# Altium PCB CONTROL_BOARD_V2.PcbDoc
Units mm, origin at the board's own origin, x right, y up, seen from the top; angles counter-clockwise.
Board outline 100 x 50 mm, 2 copper layers (Top Layer, Bottom Layer), stack 1.671 mm thick; 48 components, 39 nets, 235 pads, 31 vias.
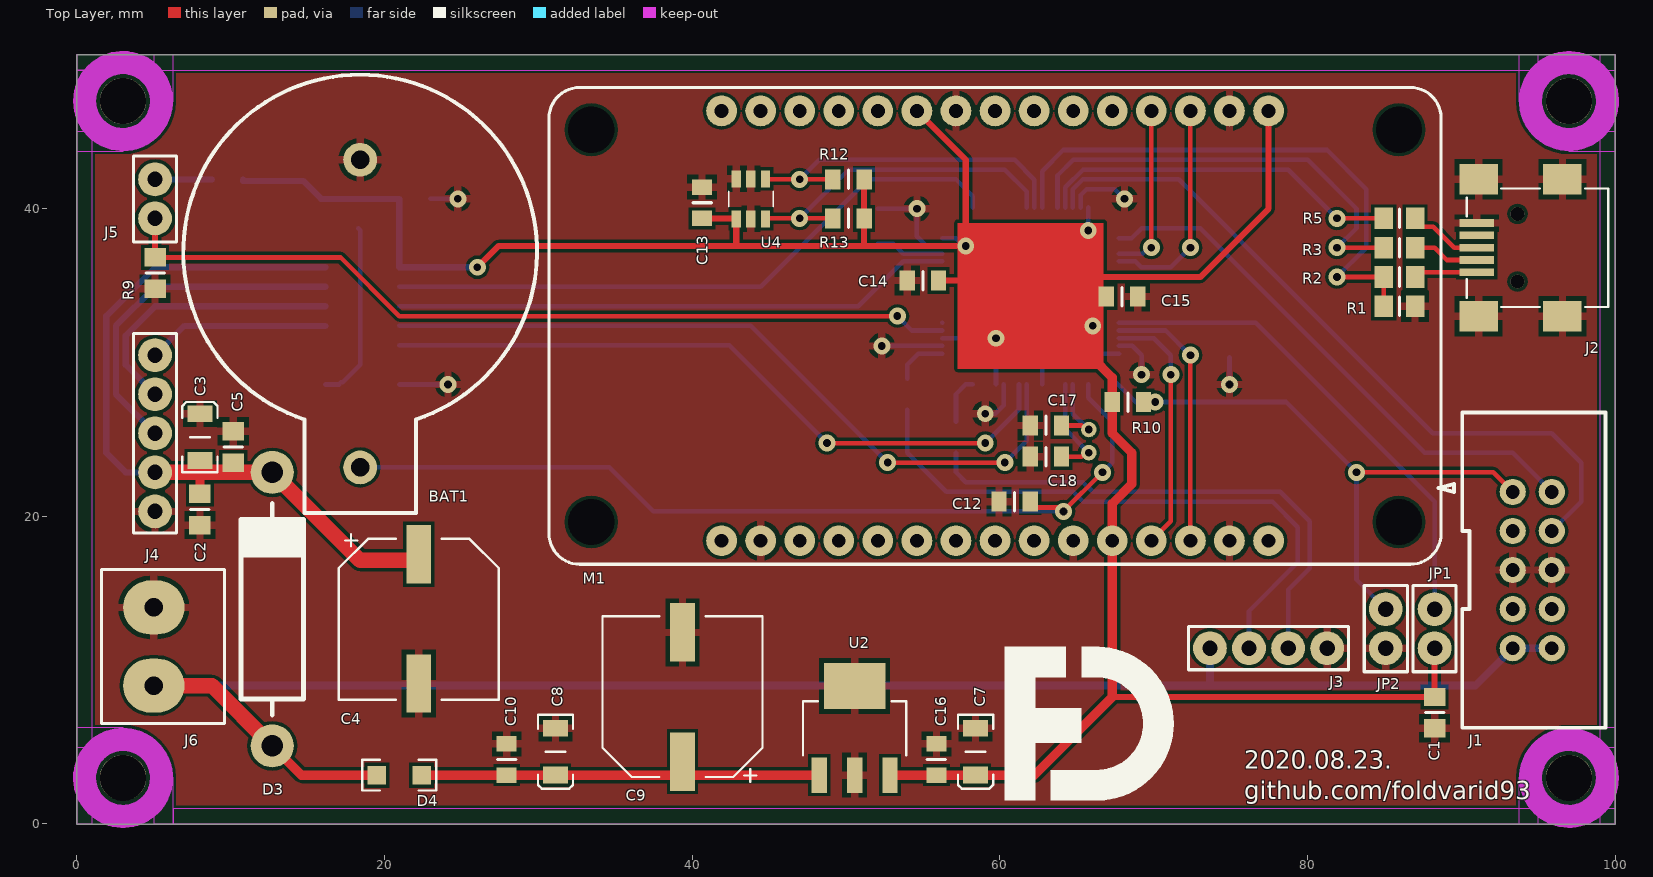
[diagram p0: Top Layer view]
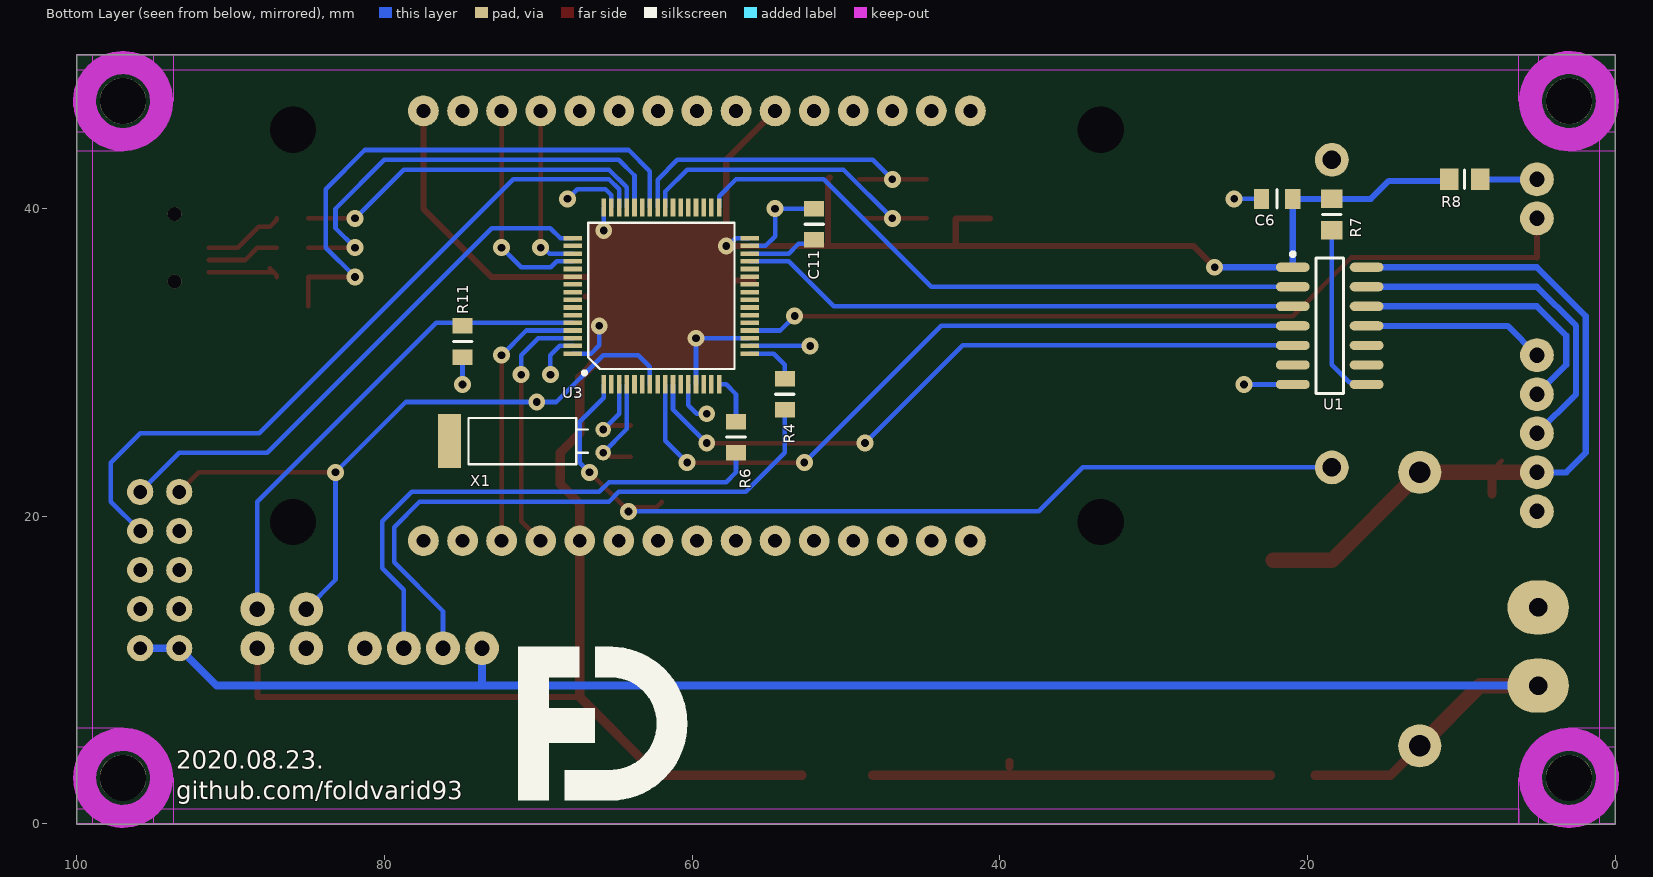
[diagram p1: Bottom Layer view, seen from below]
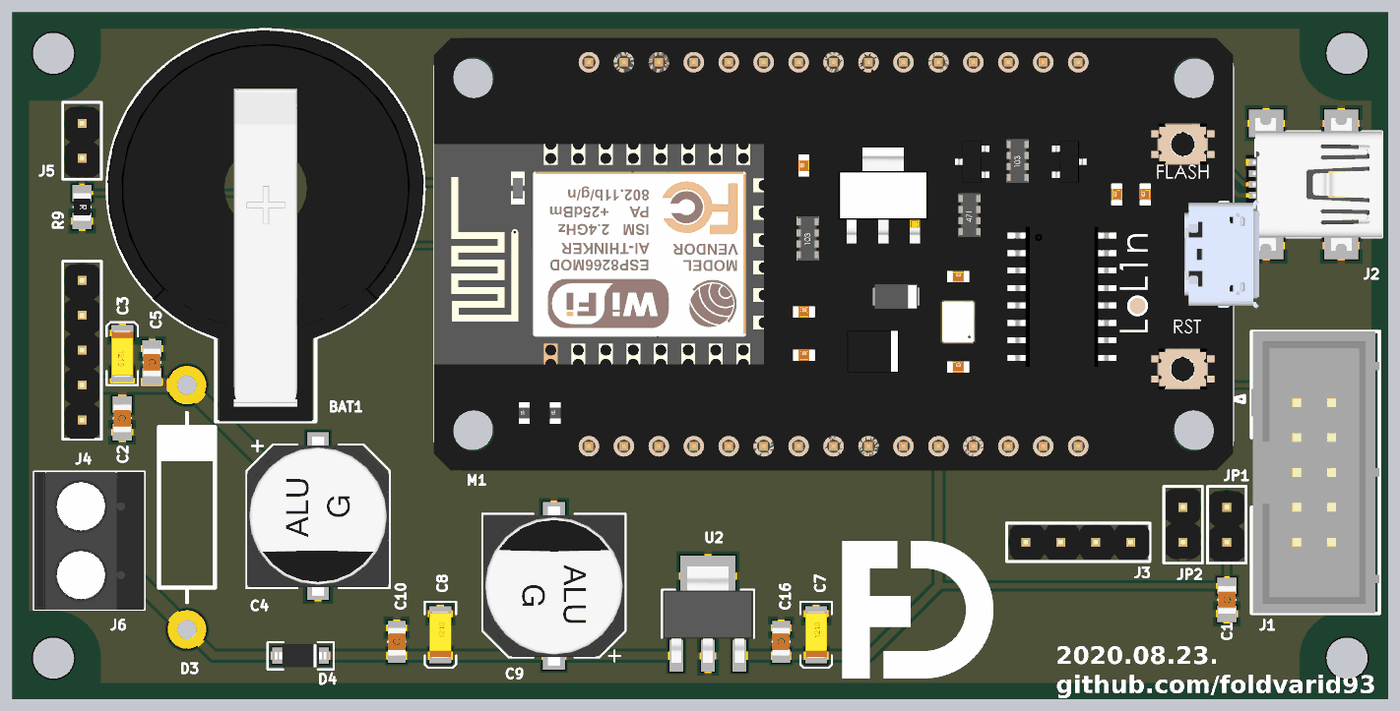
[diagram p2: 3D render of the assembled board from above, using the file's embedded part models]
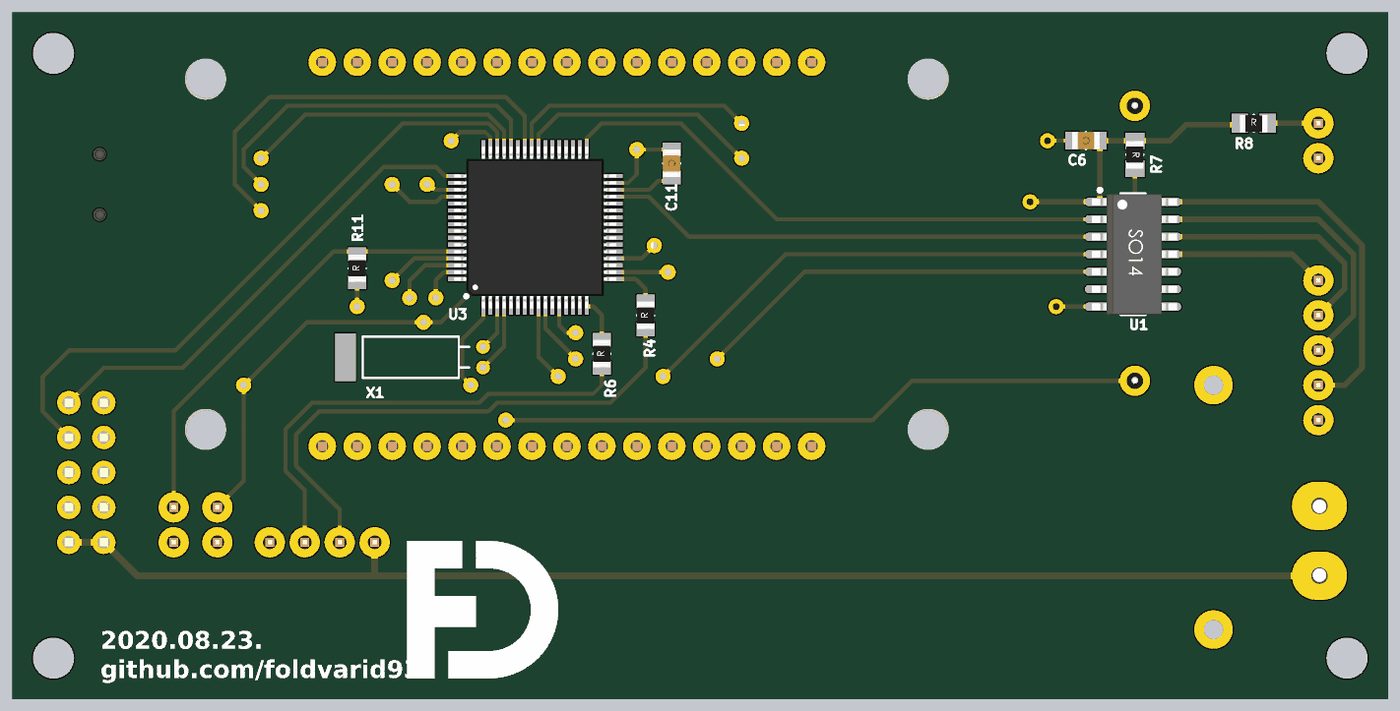
[diagram p3: 3D render of the assembled board from below, using the file's embedded part models]

## Layer stack, top to bottom
Top Solder: solder mask 0.0102, Solder Resist, Dk 3.5
Top Layer: signal copper 0.0356
Dielectric 1: dielectric 1.6, FR-4, Dk 4.8
Bottom Layer: signal copper 0.0356
Bottom Solder: solder mask 0.0102, Solder Resist, Dk 3.5

## Board outline
0,0 0,50 100,50 100,0

## Design rules (kind name [scope] priority, off if disabled: settings)
BoardOutlineClearance [All] p1: gap=0.2 ignorepadtopadclearanceinfootprint=FALSE except(0.4: Arc-SplitBarrior Arc-SplitContinuation Track-SplitBarrior Track-SplitContinuation SMDPad-SplitBarrior SMDPad-SplitContinuation THPad-SplitBarrior THPad-SplitContinuation Via-SplitBarrior Via-SplitContinuation Fill-SplitBarrior Fill-SplitContinuation Poly-SplitBarrior Poly-SplitContinuation Region-SplitBarrior Region-SplitContinuation Text-SplitBarrior Text-SplitContinuation)
Clearance "Clearance Bottom Layer" [OnLayer('Bottom Layer')] p1: gap=0.089 ignorepadtopadclearanceinfootprint=TRUE
Clearance "Clearance Top Layer" [OnLayer('Top Layer')] p2: gap=0.203 ignorepadtopadclearanceinfootprint=TRUE except(0.254: Arc-Text Track-Text SMDPad-Text THPad-Text Via-Text Fill-Text Poly-Text Region-Text Text-Text)
Clearance [All] p3: gap=0.2 ignorepadtopadclearanceinfootprint=FALSE except(0.089: Arc-Arc Arc-Track Arc-SMDPad Track-Track Track-SMDPad SMDPad-SMDPad; 0.127: Arc-Via Track-Via SMDPad-Via THPad-Via Via-Via; 0.254: Arc-Text Track-Text SMDPad-Text THPad-Text Via-Text Fill-Text Poly-Text Region-Text Text-Text)
HoleSize [All] p1: absolutevalues=TRUE maxlimit=6.3 minlimit=0.2 maxpercent=80.000 minpercent=20.000
MinimumAnnularRing [All] p1: minimumring=0.076
MinimumSolderMaskSliver [All] p1: minsoldermaskwidth=0.1
PlaneClearance [All] p1: clearance=0.6
PolygonConnect PolygonConnect_1 [All] p1: connectstyle=Relief reliefconductorwidth=0.508 reliefentries=4 polygonreliefangle="90 Angle" airgapwidth=0.3
RoutingCorners [All] p1: cornerstyle=Round minsetback=2.54 maxsetback=2.54
RoutingVias [All] p1: holewidth=0.5 width=1 viastyle="Through Hole" minholewidth=0.2 minwidth=0.45 maxholewidth=1 maxwidth=2
SilkToSilkClearance [All] p1: silktosilkclearance=0.1
SilkToSolderMaskClearance [IsPad] p1: minsilkscreentomaskgap=0.1 clearancetoexposedcopper=TRUE
SolderMaskExpansion [All] p1: expansion=0.102
Width [All] p1: maxlimit=2.54 minlimit=0.089 preferedwidth=0.381
24 further rules are at their usual default settings.

## Components (designator, comment, footprint, x,y, rotation, side; value= is the part's Value field where it differs from the comment)
BAT1 "*" CR2032 18.415,43.18 r270 top locked
C1 "100n" "CAP 0805"#1 88.265,6.223 r90 top
C2 "100n" "CAP 0805"#1 8.001,21.463 r270 top
C3 "10u" "CAP 1210"#1 8.001,23.622 r90 top
C4 "220uF" "G ELKO" 22.225,13.335 r90 top
C5 "100n" "CAP 0805"#1 10.16,25.527 r270 top
C6 "100n" "CAP 0805"#2 21.971,40.64 r0 bottom
C7 "10u" "CAP 1210"#2 58.42,6.223 r270 top
C8 "10u" "CAP 1210"#2 31.115,6.223 r270 top
C9 "220uF" "G ELKO" 39.37,8.255 r270 top
C10 "100n" "CAP 0805"#2 27.94,4.191 r90 top
C11 "4,7u" "CAP 0805"#2 52.07,38.989 r270 bottom
C12 "1u" "CAP 0805"#2 60.96,20.955 r0 top
C13 "100n" "CAP 0805"#2 40.64,40.386 r270 top
C14 "100n" "CAP 0805"#2 55,35.33 r0 top
C15 "100n" "CAP 0805"#2 67.945,34.29 r180 top
C16 "100n" "CAP 0805"#2 55.88,4.191 r270 top
C17 "6.8p" "CAP 0805"#2 62.992,25.908 r0 top
C18 "6.8p" "CAP 0805"#2 62.992,23.876 r0 top
D3 "MBR360" DO-201AD 12.7,5.08 r90 top
D4 "PNS40010ER" SOD-123 20.955,3.175 r0 top value=PNS40010ER,115
J1 "T821110A1S100CEU" MLW10 93.345,21.59 r270 top
J2 "*" MUSB-B2.0S05PFHSB-T 91,37.465 r90 top
J3 "UART" SIL4 73.66,11.43 r0 top
J4 "*" SIL5 5.08,30.48 r270 top
J5 "*" SIL2 5.08,41.91 r270 top
J6 "5V 2A DC" PTR_AKZ350 5,9 r90 top value=282837-2
JP1 "BOOT0" SIL2 88.265,13.97 r270 top
JP2 "RESET" SIL2 85.09,11.43 r90 top
M1 "NodeMCU" NodeMcu 59.69,32.385 r90 top locked
R1 "2k" "RES 0805"#1 86.995,33.655 r180 top
R2 "1k" "RES 0805"#1 86.995,35.56 r180 top
R3 "22R" "RES 0805"#1 86.995,37.465 r180 top
R4 "1k" "RES 0805"#2 53.975,27.94 r90 bottom
R5 "22R" "RES 0805"#1 86.995,39.37 r180 top
R6 "1k" "RES 0805"#2 57.15,25.146 r90 bottom
R7 "10k" "RES 0805"#1 18.415,40.64 r270 bottom
R8 "0R" "RES 0805"#1 10.795,41.91 r180 bottom
R9 "1k" "RES 0805"#1 5.08,36.83 r270 top
R10 "10k" "RES 0805"#2 68.326,27.432 r180 top
R11 "10k" "RES 0805"#2 74.93,31.369 r90 bottom
R12 "10k" "RES 0805"#2 50.165,41.91 r0 top
R13 "10k" "RES 0805"#2 50.165,39.37 r0 top
U1 "*" SO14 20.955,36.195 r180 bottom
U2 "LM2937" SOT223 50.56,6.075 r0 top value=LM2937IMP-3.3/NOPB
U3 "STM32F446" LQFP64 62,34.33 r90 bottom value=STM32F446RET6
U4 "TMP100" SOT-23-6L 43.815,40.64 r180 top
X1 "32.768 kHz" X32K768L104 65.786,24.892 r0 bottom

## Footprints (in the part's own frame and the unit in brackets; to place one, negate y for a bottom-side part, rotate by r counter-clockwise, add the part's x,y. Pads: shape width x height; smd on the part's side, far side on the other; paste and mask are expansions set on the pad)
"CAP 0805"#1 [mm] "0805 CAPACITOR"
  rect 1.2x1.4 smd: 1(0,0) 2(2.032,0)
  silkscreen extent 1.02,-0.6 1.02,0.6, body extent 0.02,-0.64 2.02,0.62, height 0.6
"CAP 0805"#2 [mm] "0805 CAPACITOR"
  rect 1x1.3 smd: 1(-1.016,0) 2(1.016,0)
  silkscreen extent 0,-0.6 0,0.6, body extent -1,-0.63 1,0.62, height 0.6
"CAP 1210"#1 [mm] "POLARIZED CAPACITOR"
  rect 1.1x1.6 smd: 1(0,0) 2(3.048,0)
  silkscreen extent -0.76,-1.14 3.81,1.14, body extent -0.17,-0.8 3.22,0.8, height 1.65
"CAP 1210"#2 [mm] "POLARIZED CAPACITOR"
  rect 1.1x1.6 smd: 1(3.048,0) 2(0,0)
  silkscreen extent -0.88,-1.14 3.92,1.14, body extent -0.17,-0.8 3.22,0.8, height 1.65
CR2032 [mm] "Litium battery CR2032"
  round 2.2 hole 1.2: 1(0,0) 2(20,0)
  silkscreen extent -5.53,-11.5 22.97,11.5, body extent -5.53,-11.5 22.97,11.5, height 6.91
DO-201AD [mm] "DO-201AD diode package"
  round 2.8 hole 1.4: 1(0,0) 2(17.78,0)
  silkscreen extent 2,-2.03 15.75,2.03
"G ELKO" [mm] "G type SMD ELKO capacitor"
  rect 3.8x1.6 smd: 1(4.2,0) 2(-4.2,0)
  silkscreen extent -5.25,-5.2 5.5,5.2, body extent -5.8,-5.15 5.8,5.15, height 10.2
LQFP64 [mm]
  rect 1.2x0.3 smd: 1(-5.75,3.75) 2(-5.75,3.25) 3(-5.75,2.75) 4(-5.75,2.25) 5(-5.75,1.75) 6(-5.75,1.25) 7(-5.75,0.75) 8(-5.75,0.25) 9(-5.75,-0.25) 10(-5.75,-0.75) 11(-5.75,-1.25) 12(-5.75,-1.75) 13(-5.75,-2.25) 14(-5.75,-2.75) 15(-5.75,-3.25) 16(-5.75,-3.75) 33(5.75,-3.75) 34(5.75,-3.25) 35(5.75,-2.75) 36(5.75,-2.25) 37(5.75,-1.75) 38(5.75,-1.25) 39(5.75,-0.75) 40(5.75,-0.25) 41(5.75,0.25) 42(5.75,0.75) 43(5.75,1.25) 44(5.75,1.75) 45(5.75,2.25) 46(5.75,2.75) 47(5.75,3.25) 48(5.75,3.75)
  rect 0.3x1.2 smd: 17(-3.75,-5.75) 18(-3.25,-5.75) 19(-2.75,-5.75) 20(-2.25,-5.75) 21(-1.75,-5.75) 22(-1.25,-5.75) 23(-0.75,-5.75) 24(-0.25,-5.75) 25(0.25,-5.75) 26(0.75,-5.75) 27(1.25,-5.75) 28(1.75,-5.75) 29(2.25,-5.75) 30(2.75,-5.75) 31(3.25,-5.75) 32(3.75,-5.75) 49(3.75,5.75) 50(3.25,5.75) 51(2.75,5.75) 52(2.25,5.75) 53(1.75,5.75) 54(1.25,5.75) 55(0.75,5.75) 56(0.25,5.75) 57(-0.25,5.75) 58(-0.75,5.75) 59(-1.25,5.75) 60(-1.75,5.75) 61(-2.25,5.75) 62(-2.75,5.75) 63(-3.25,5.75) 64(-3.75,5.75)
  silkscreen extent -5.1,-4.75 4.75,5.1, body extent -5.89,-5.89 5.89,5.89, height 1.55
MLW10 [mm]
  round 1.7 hole 0.9: 1(0,0) 2(0,2.54) 3(2.54,0) 4(2.54,2.54) 5(5.08,0) 6(5.08,2.54) 7(7.62,0) 8(7.62,2.54) 9(10.16,0) 10(10.16,2.54)
  silkscreen extent -5.17,-4.83 15.33,6.02, body extent -5.17,-3.28 15.33,6.02, height 9.2
MUSB-B2.0S05PFHSB-T [mm] "Mini USB Connector SMD"
  rect 0.5x2.25 smd: 1(-1.6,0) 2(-0.8,0) 3(0,0) 4(0.8,0) 5(1.6,0)
  rect 2x2.5 smd: 6(-4.45,-5.575) 6(-4.45,-0.125) 6(4.45,-5.575) 6(4.45,-0.125)
  round 0.9 hole 0.9 unplated: ""(-2.2,-2.65) ""(2.2,-2.65)
  silkscreen extent -3.85,-8.55 3.85,0.65, body extent -4.83,-8.55 4.83,0.83, height 3.93
NodeMcu [mm] "NodeMcu V3"
  round 2 hole 0.9: 1(-13.97,17.78) 2(-13.97,15.24) 3(-13.97,12.7) 4(-13.97,10.16) 5(-13.97,7.62) 6(-13.97,5.08) 7(-13.97,2.54) 8(-13.97,0) 9(-13.97,-2.54) 10(-13.97,-5.08) 11(-13.97,-7.62) 12(-13.97,-10.16) 13(-13.97,-12.7) 14(-13.97,-15.24) 15(-13.97,-17.78) 16(13.97,-17.78) 17(13.97,-15.24) 18(13.97,-12.7) 19(13.97,-10.16) 20(13.97,-7.62) 21(13.97,-5.08) 22(13.97,-2.54) 23(13.97,0) 24(13.97,2.54) 25(13.97,5.08) 26(13.97,7.62) 27(13.97,10.16) 28(13.97,12.7) 29(13.97,15.24) 30(13.97,17.78)
  round 2 hole 3 unplated: ""(-12.75,26.25) ""(-12.75,-26.25) ""(12.75,26.25) ""(12.75,-26.25)
  silkscreen extent -15.5,-29 15.5,29, body extent -15.75,-30.93 15.75,29.05, height 9.6
PTR_AKZ350 [mm] "2 PIN TERMINAL BLOCK"
  oval 3.5x4 hole 1.2: 1(0,0) 2(5.08,0)
  silkscreen extent -2.46,-4.6 7.54,3.4, body extent -2.46,-4.6 7.54,3.4, height 10.1
"RES 0805"#1 [mm] "0805 Resistor"
  rect 1.2x1.4 smd: 1(0,0) 2(2.032,0)
  silkscreen extent 1.02,-0.6 1.02,0.6, body extent 0.02,-0.64 2.02,0.62, height 0.6
"RES 0805"#2 [mm] "0805 Resistor"
  rect 1x1.3 smd: 1(-1.016,0) 2(1.016,0)
  silkscreen extent 0,-0.6 0,0.6, body extent -1,-0.63 1,0.62, height 0.6
SIL2 [mm] "2 PIN SINGLE IN LINE CONNECTOR"
  round 2.2 hole 1: 1(0,0) 2(2.54,0)
  silkscreen extent -1.53,-1.4 4.07,1.4, body extent -1.17,-1.25 3.91,1.25, height 8.3
SIL4 [mm] "4 PIN SINGLE IN LINE CONNECTOR"
  round 2.2 hole 1: 1(0,0) 2(2.54,0) 3(5.08,0) 4(7.62,0)
  silkscreen extent -1.4,-1.4 9.02,1.4, body extent -1.17,-1.25 8.99,1.25, height 8.3
SIL5 [mm] "5 PIN SINGLE IN LINE CONNECTOR"
  round 2.2 hole 1: 1(0,0) 2(2.54,0) 3(5.08,0) 4(7.62,0) 5(10.16,0)
  silkscreen extent -1.4,-1.4 11.56,1.4, body extent -1.17,-1.25 11.53,1.25, height 8.3
SO14 [mm] "SOIC, 8-Leads, Body 4.9x3.9mm, Pitch 1.27mm, IPC Medium Density"
  oval 2.2x0.6 smd: 1(0,0) 2(0,-1.27) 3(0,-2.54) 4(0,-3.81) 5(0,-5.08) 6(0,-6.35) 7(0,-7.62) 8(4.8,-7.62) 9(4.8,-6.35) 10(4.8,-5.08) 11(4.8,-3.81) 12(4.8,-2.54) 13(4.8,-1.27) 14(4.8,0)
  silkscreen extent -0.13,-8.2 3.3,0.97, body extent -0.6,-8.19 5.6,0.56, height 1.75
SOD-123 [mm] "SOD-123"
  rect 1.2x1.2 smd: 1(-1.45,0) 2(1.45,0)
  silkscreen extent -2.4,-1 2.4,1, body extent -1.88,-0.85 1.87,0.85, height 1.2
SOT223 [mm]
  rect 1x2.3 smd: 1(-2.3,-2.9) 2(0,-2.9) 3(2.3,-2.9)
  rect 4x3 smd: 2(0,2.9)
  silkscreen extent -3.35,-1.6 3.35,1.9, body extent -3.25,-3.4 3.25,3.6, height 1.64
SOT-23-6L [mm]
  rect 0.6x1.1 smd: 1(-0.95,-1.3) 2(0,-1.3) 3(0.95,-1.3) 4(0.95,1.3) 5(0,1.3) 6(-0.95,1.3)
  silkscreen extent -1.45,-0.5 1.45,0.5, body extent -1.45,-1.4 1.45,1.4, height 1.45
X32K768L104 [mm] "Crystal, 32.768 kHz, Cylinder Radial, 8mm x 3mm Dia, 12.5 pF, 20 ppm"
  round 1 hole 0.5: 1(0,0.75) 2(0,-0.75)
  rect 1.5x3.5 smd: ""(10,0)
  silkscreen extent 1,-1.5 8.75,1.5

## Part data
BAT1: library part Battery, "battery"
C1 C2 C5 C6 C10 C11 C12 C13 C14 C15 C16 C17 C18: library part CAP, "NON POLARIZED CAPACITOR"
C3 C4 C7 C8 C9: library part CAP_POL, "POLARIZED CAPACITOR"
D3: "ON Semiconductor MBR360,SCHOTTKY BARRIER RECTIFIERS / 3.0 AMPERES 60 VOLTS", Manufacturer="ON Semiconductor", Name=MBR360
D4: "Nexperia PNS40010ER,115 switching diode 1.4A, 400V, SOD-123", Manufacturer=Nexperia, Distributor="RS Components", Name=PNS40010ER, Reference ID=136-4874
J1: library part T821-10, "T821, 10pin, 2x5 connector, 2.54mm", Manufacturer=Amphenol, Distributor="RS Components", Name=T821, Reference ID=832-3528
J2: library part USB_5PIN, "5PIN miniUSB SMD connector", Distributor=LOMEX, Reference ID=43-28-33
J3: library part HEADER4, "4 PIN HEADER"
J4: library part HEADER5, "5 PIN HEADER"
J5: library part HEADER2, "2 PIN HEADER"
J6: library part TB-2, "2 Pin Terminal Block", Manufacturer="TE Connectivity", Distributor="RS Components", Name="5V 2A DC", Reference ID=710-0100
JP1 JP2: library part JUMPER, "JUMPER"
  JP1: Name=BOOT0
  JP2: Name=RESET
M1: "Node MCU ESP12 module", Name=NodeMCU
R1 R2 R3 R4 R5 R6 R7 R8 R9 R10 R11 R12 R13: library part RES, "RESISTOR"
U1: library part TXB0104, "Voltage level shifter"
U2: "LDO-regulator 400mA 3,3 V 5%, 4,75 › 26 V, SOT223", Manufacturer="Texas Instruments", Distributor="RS Components", Name=LM2937, Reference ID=761-5599
U3: library part STM32F446RET6, "MCU STM32F446RET6 32bit, ARM Cortex M4, 180MHz, Flash, 128 kB RAM, 2xUSB USB, LQFP-64", Manufacturer="ST Microelectronics", Distributor="RS Components", Name=STM32F446, Reference ID=110-6621
U4: library part TMP10x, "Temperature sensor with I2C interface", Manufacturer="Texas Instruments", Name=TMP100
X1: library part X32K768L104, "Crystal, 32.768 kHz, Cylinder Radial, 8mm x 3mm Dia, 12.5 pF, 20 ppm", Manufacturer="AEL CRYSTALS", Distributor=Farnell, Name=X32K768L104, Reference ID=9509682

## Free pads (board coordinates)
  round 3 hole 3 unplated: ""(3,3) ""(3,47) ""(97,47) ""(97,3)

## Via types
v1: diameter 1.1, hole 0.5, Top Layer to Bottom Layer, 31 vias

## Nets (pads, with @x,y where several pads share a name; then routed paths per layer and width w, separated by ;. In a path a pad name is that pad's centre, name@x,y a point inside that pad or via, vN(x,y) a via of type N, cw(c..) or ccw(c..) an arc to the next point about the centre after c; other vN are vias at no path point)
3V3: C1.2 C6.1 C7.1 C13.2 C14.2 C15.2 C16.2 JP1.2 M1.11 M1.16 M1.25 R7.1 R8.1 R10.2 R12.2 R13.2 U1.1 U2.3 U3.13 U3.19 U3.32 U3.48 U3.64 U4.4 | length 171.9
  Top Layer w0.4: v1(26.035,36.195) 27.42,37.58 42.865,37.58 ; C13.2 42.835,39.37 U4.4 42.865,37.58 ; R12.2@51.054,42.037 R12.2 R13.2 51.181,37.58 ; M1.25 57.785,43.18 v1(57.785,37.58) 51.181,37.58 ; C14.2 57.75,35.33 ; 66.04,35.56 73.025,35.56 77.47,40.005 M1.16 ; C15.2@66.484,34.33 C15.2@66.5,34.314 ; C15.2 C15.2@66.934,34.295 ; 67.31,8.255 C1.2 JP1.2 ; 42.865,37.58 51.181,37.58
  Top Layer w0.6: U2.3 C16.2 C7.1 62.23,3.175 67.31,8.255 M1.11 67.31,20.828 68.58,22.098 68.58,24.13 67.31,25.4 R10.2 67.31,29.02 66.04,30.29 v1(66.04,32.385)
  Bottom Layer w0.3: U3.19 v1(59.75,31.58) U3.13 ; U3.32 57.174,38.08 57.674,37.58 v1(57.785,37.58) ; v1(65.75,38.58) U3.48 ; v1(66.04,32.385) 66.04,31.115 66.575,30.58 U3.64
  Bottom Layer w0.4: R8.1 10.795,41.81 14.705,41.81 15.875,40.64 R7.1 C6.1 U1.1 v1(26.035,36.195)
5V: C2.1 C3.1 C4.1 C5.2 D3.2 J4.4 U1.14 | length 49.3
  Top Layer w0.3: C3.1@7.366,23.622 C3.1@7.611,23.377
  Top Layer w0.6: C2.1 8.001,22.733
  Top Layer w1: J4.4 8.255,22.86 D3.2 18.415,17.145 C4.1@22.225,17.145
  Bottom Layer w0.4: J4.4 3.175,22.86 1.905,24.13 1.905,33.02 5.08,36.195 U1.14
5V_IN: D3.1 D4.1 J1.9 J1.10 J3.1 J6.1 | length 111.2
  Top Layer w0.6: D3.1 14.605,3.175 D4.1
  Top Layer w1: J6.1 8.78,9 D3.1
  Bottom Layer w0.5: J6.1 73.66,9 ; J3.1 73.66,9 ; J1.10 J1.9 90.915,9 73.66,9
CLK_5V: J4.2 U1.12 | length 18.4
  Bottom Layer w0.4: J4.2 3.175,29.845 3.175,31.75 5.08,33.655 U1.12
DOUT_5V: J4.1 U1.11 | length 11.9
  Bottom Layer w0.4: J4.1 6.985,32.385 U1.11
ESP8266_EN: M1.12 U3.62 | length 16.4
  Top Layer w0.3: M1.12 71.12,19.685 v1(71.12,29.21)
  Bottom Layer w0.3: U3.62 70.02,31.58 71.12,30.48 v1(71.12,29.21)
ESP8266_RST: M1.13 U3.61 | length 17.4
  Top Layer w0.3: M1.13 v1(72.39,30.48)
  Bottom Layer w0.3: U3.61 70.79,32.08 v1(72.39,30.48)
GND: BAT1.1 C1.1 C2.2 C3.2 C4.2 C5.1 C6.2 C7.2 C8.2 C9.2 C10.2 C11.1 C12.1 C13.1 C14.1 C15.1 C16.1 C17.1 C18.1 J1.5 J1.6 J2.5 J2.6 J3.4 J4.5 J6.2 JP2.1 M1.2 M1.10 M1.14 M1.17 M1.24 R1.1 R9.2 R11.1 U1.7 U2.2 U3.12 U3.18 U3.31 U3.47 U3.63 U4.2 U4.3 U4.5 | length 27
  Top Layer w0.5: J6.2@6.115,14 J6.2@6.195,14.08
  Bottom Layer w0.3: U1.7 v1(24.13,28.575) ; C6.2 v1(24.765,40.64) ; C11.1 v1(54.61,40.005) 54.61,38.204 55.234,37.58 U3.31 ; v1(52.33,31.08) U3.18 ; v1(59.055,26.67) 59.69,26.67 60.25,27.23 U3.12 ; U3.47 65.25,40.892 65.633,41.275 67.469,41.275 v1(68.104,40.64) v1@67.945,40.64 ; U3.63 68.615,31.08 69.215,30.48 v1(69.215,29.21) ; v1(74.93,28.575) R11.1
I2C3_SCL: R12.1 U3.41 U4.1 | length 22.5
  Top Layer w0.3: U4.1@44.765,41.91 v1(46.99,41.91) R12.1
  Bottom Layer w0.3: v1(46.99,41.91) 48.26,43.18 60.96,43.18 62.25,41.89 U3.41
I2C3_SDA: R13.1 U3.40 U4.6 | length 21.8
  Top Layer w0.3: U4.6@44.765,39.37 v1(46.99,39.37) R13.1@48.895,39.37
  Bottom Layer w0.3: v1(46.99,39.37) 50.165,42.545 60.325,42.545 61.75,41.12 U3.40
LOAD_5V: J4.3 U1.13 | length 22.7
  Bottom Layer w0.4: J4.3 2.54,27.94 2.54,32.385 5.08,34.925 U1.13
LS_ADC1_IN4: J5.2 R9.1 U3.20 | length 55.7
  Top Layer w0.3: R9.1 17.145,36.83 20.955,33.02 v1(53.34,33.02)
  Top Layer w0.4: R9.1 J5.2
  Bottom Layer w0.3: v1(53.34,33.02) 54.28,32.08 U3.20
NetBAT1_2: BAT1.2 C12.2 U3.1 | length 59.6
  Top Layer w0.3: C12.2 61.976,20.924 62.326,20.574 v1@64.262,20.574 ; v1(64.135,20.32) v1(66.675,22.86)
  Bottom Layer w0.3: BAT1.2 34.605,23.18 37.465,20.32 v1(64.135,20.32) ; U3.1 65.75,27.722 67.31,26.162 67.31,23.495 v1(66.675,22.86)
NetC8_1: C8.1 C9.1 C10.1 D4.2 U2.1 | length 26.2
  Top Layer w0.5: C9.1@39.37,3.725 C9.1
  Top Layer w0.6: D4.2 C10.1 29.845,3.175 C8.1 32.385,3.175 39.37,3.175 U2.1
NetC11_2: C11.2 U3.30 | length 4.4
  Bottom Layer w0.3: C11.2@52.07,37.719 53.086,37.719 53.725,37.08 U3.30
NetJ2_1: J2.1 R2.1 | length 5
  Top Layer w0.3: R2.1 86.995,35.66 87.21,35.875 R2.1@87.445,36.11 ; R2.1@87.22,35.865 J2.1@91.44,35.865
NetJ2_2: J2.2 R3.1 | length 4.8
  Top Layer w0.3: R3.1 88.265,37.465 89.065,36.665 J2.2@91.44,36.665
NetJ2_3: J2.3 R5.1 | length 5.3
  Top Layer w0.3: R5.1 86.995,39.27 87.445,38.82 88.18,38.82 89.535,37.465 J2.3@91.44,37.465
NetJ3_2: J3.2 R4.1 | length 39.4
  Bottom Layer w0.3: R4.1 53.975,24.13 56.515,21.59 64.77,21.59 65.405,20.955 77.724,20.955 79.375,19.304 79.375,17.018 76.2,13.843 J3.2
NetJ3_3: J3.3 R6.1 | length 34.4
  Bottom Layer w0.3: R6.1 57.15,22.86 57.785,22.225 65.405,22.225 66.04,21.59 78.232,21.59 80.137,19.685 80.137,16.637 78.74,15.24 J3.3
NetJ5_1: J5.1 R8.2 | length 3.7
  Bottom Layer w0.4: J5.1 R8.2
NetJP1_1: JP1.1 R11.2 U3.60 | length 32.3
  Bottom Layer w0.3: U3.60 76.64,32.58 88.265,20.955 JP1.1
NetR7_2: R7.2 U1.8 | length 11.7
  Bottom Layer w0.3: U1.8 17.036,28.575 17.172,28.71 17.28,28.71 18.415,29.845 R7.2 R7.2@18.288,38.735
RTC_OSC32_IN: C17.2 U3.3 X1.2 | length 5.3
  Top Layer w0.3: C17.2 65.331,25.908 65.597,25.642 X1.2
  Bottom Layer w0.3: U3.3 64.75,26.678 X1.2
RTC_OSC32_OUT: C18.2 U3.4 X1.1 | length 7
  Top Layer w0.3: C18.2 65.331,23.876 65.597,24.142 X1.1
  Bottom Layer w0.3: U3.4 64.25,25.678 X1.1
SPI2_CS: U1.2 U3.33 | length 41.4
  Bottom Layer w0.3: U1.2 44.45,34.925 51.435,41.91 57.15,41.91 58.25,40.81 U3.33
SPI2_MISO: U1.5 U3.10 | length 45.5
  Top Layer w0.3: v1(48.768,24.765) v1(59.055,24.765)
  Bottom Layer w0.3: U1.5 42.418,31.115 v1(48.768,24.765) ; v1(59.055,24.765) 61.25,26.96 U3.10
SPI2_MOSI: U1.4 U3.9 | length 48.7
  Top Layer w0.3: v1(52.705,23.495) v1(60.325,23.495)
  Bottom Layer w0.3: U1.4 43.815,32.385 v1(52.705,23.495) ; v1(60.325,23.495) 61.75,24.92 U3.9
SPI2_SCK: U1.3 U3.29 | length 36.5
  Bottom Layer w0.3: U1.3 50.8,33.655 53.725,36.58 U3.29
SWDCLK: J1.2 U3.49 | length 35.5
  Bottom Layer w0.3: U3.49 68.56,38.08 69.215,38.735 73.025,38.735 87.63,24.13 93.345,24.13 J1.2
SWDIO: J1.4 U3.46 | length 47.3
  Bottom Layer w0.3: U3.46 64.75,41.255 65.405,41.91 71.628,41.91 88.138,25.4 95.885,25.4 97.79,23.495 97.79,20.955 J1.4
SWDRST: J1.1 JP2.2 R10.1 U3.7 | length 45.4
  Top Layer w0.3: v1(83.185,22.86) 92.075,22.86 J1.1
  Bottom Layer w0.3: U3.7 62.75,29.73 63.5,30.48 65.786,30.48 68.834,27.432 78.613,27.432 v1(83.185,22.86) 83.185,15.875 JP2.2
  other v1: 70.104,27.432
USART2_RX: R4.2 U3.17 | length 3.5
  Bottom Layer w0.3: R4.2 53.975,29.845 54.71,30.58 U3.17
USART2_TX: R6.2 U3.16 | length 3.1
  Bottom Layer w0.3: R6.2 57.15,27.94 57.79,28.58 U3.16
USART3_RX: M1.18 U3.52 | length 14.2
  Top Layer w0.3: v1(72.39,37.465) M1.18
  Bottom Layer w0.3: U3.52 68.813,36.58 69.198,36.195 71.12,36.195 v1(72.39,37.465)
USART3_TX: M1.19 U3.51 | length 11.1
  Top Layer w0.3: v1(69.85,37.465) M1.19
  Bottom Layer w0.3: U3.51 69.274,37.08 69.659,37.465 v1(69.85,37.465)
USB_FS_DM: R3.2 U3.44 | length 29.4
  Top Layer w0.3: v1(81.915,37.465) R3.2
  Bottom Layer w0.3: U3.44 63.75,42.16 64.77,43.18 80.01,43.18 83.185,40.005 83.185,38.735 v1(81.915,37.465)
USB_FS_DP: R5.2 U3.45 | length 23.8
  Top Layer w0.3: v1(81.915,39.37) R5.2
  Bottom Layer w0.3: U3.45 64.25,41.39 65.405,42.545 78.74,42.545 v1(81.915,39.37)
USB_FS_VBUS: R1.2 R2.2 U3.42 | length 36.5
  Top Layer w0.3: v1(81.915,35.56) R2.2 R1.2
  Bottom Layer w0.3: U3.42 62.75,42.43 64.135,43.815 81.28,43.815 83.82,41.275 83.82,37.465 v1(81.915,35.56)
pads on no net: J1.3 J1.7 J1.8 J2. J2.4 M1. M1.1 M1.3 M1.4 M1.5 M1.6 M1.7 M1.8 M1.9 M1.15 M1.20 M1.21 M1.22 M1.23 M1.26 M1.27 M1.28 M1.29 M1.30 U1.6 U1.9 U1.10 U3.2 U3.5 U3.6 U3.8 U3.11 U3.14 U3.15 U3.21 U3.22 U3.23 U3.24 U3.25 U3.26 U3.27 U3.28 U3.34 U3.35 U3.36 U3.37 U3.38 U3.39 U3.43 U3.50 U3.53 U3.54 U3.55 U3.56 U3.57 U3.58 U3.59 X1.
copper on no net: | length 0

## Polygon pours and split planes (outlines as drawn)
no net on Top Solder "TOP_GND" (solid): 92.329,35.433 92.329,39.624 89.535,39.624 89.662,39.497 89.662,35.433
GND on Top Layer "TOP_GND" (solid, pour order 0): 0.381,49.746 100.381,49.746 100.381,-0.254 0.381,-0.254

## Keep-outs
Keep-Out Layer:
  region: 95,0 95,3 93.75,3 93.75,0
  rectangle: 97,5 100,6.25
  region: 3,6.25 0,6.25 0,5 3,5
  region: 6.25,0 6.25,3 5,3 5,0
  region: 95,47 95,50 93.75,50 93.75,47
  rectangle: 97,43.75 100,45
  region: 6.25,47 6.25,50 5,50 5,47
  region: 100,0 100,50 99,50 99,0
  rectangle: 0,49 100,50
  rectangle: 0,43.75 3,45
  region: 1,0 1,49 0,49 0,0
  rectangle: 6.25,0 100,1
  lines w1.5: 0.5,47 ccw(c3,47) 0.5,47 ; 3,0.5 ccw(c3,3) 3,0.5 ; 97,49.5 ccw(c97,47) 97,49.5 ; 99.5,3 ccw(c97,3) 99.5,3

## Other copper
Top Layer:
  rectangle net 3V3: 57.25,29.58 66.75,39.08

## Silkscreen, mask and mechanical layers (free items; w line width, h text height)
Top Overlay:
  rectangle: 60.31,1.525 62.31,11.525
  rectangle: 61.31,9.525 64.31,11.525
  rectangle: 60.865,5.255 65.31,7.525
  rectangle: 65.31,9.525 66.31,11.525
  rectangle: 63.31,1.525 66.31,3.525
  lines w2: 66.31,2.525 ccw(c66.31,6.525) 66.31,10.525
  text "2020.08.23. / github.com/foldvarid93" at 75.89,1.207 h2
Bottom Overlay:
  region: 71.31,11.525 69.31,11.525 69.31,1.525 71.31,1.525
  region: 70.31,11.525 67.31,11.525 67.31,9.525 70.31,9.525
  region: 70.755,7.525 66.31,7.525 66.31,5.255 70.755,5.255
  region: 66.31,11.525 65.31,11.525 65.31,9.525 66.31,9.525
  region: 68.31,3.525 65.31,3.525 65.31,1.525 68.31,1.525
  lines w2: 65.31,2.525 cw(c65.31,6.525) 65.31,10.525
  text "2020.08.23. / github.com/foldvarid93" at 93.543,1.207 h2
Mechanical 2:
  the board outline again, w0.254